# Altium PCB PayloadBoard.PcbDoc
Units mm, origin at the board's own origin, x right, y up, seen from the top; angles counter-clockwise.
Board outline 28.69 x 39.4 mm, 2 copper layers (Top Layer, Bottom Layer), stack 0.98 mm thick; 44 components, 40 nets, 169 pads, 59 vias.
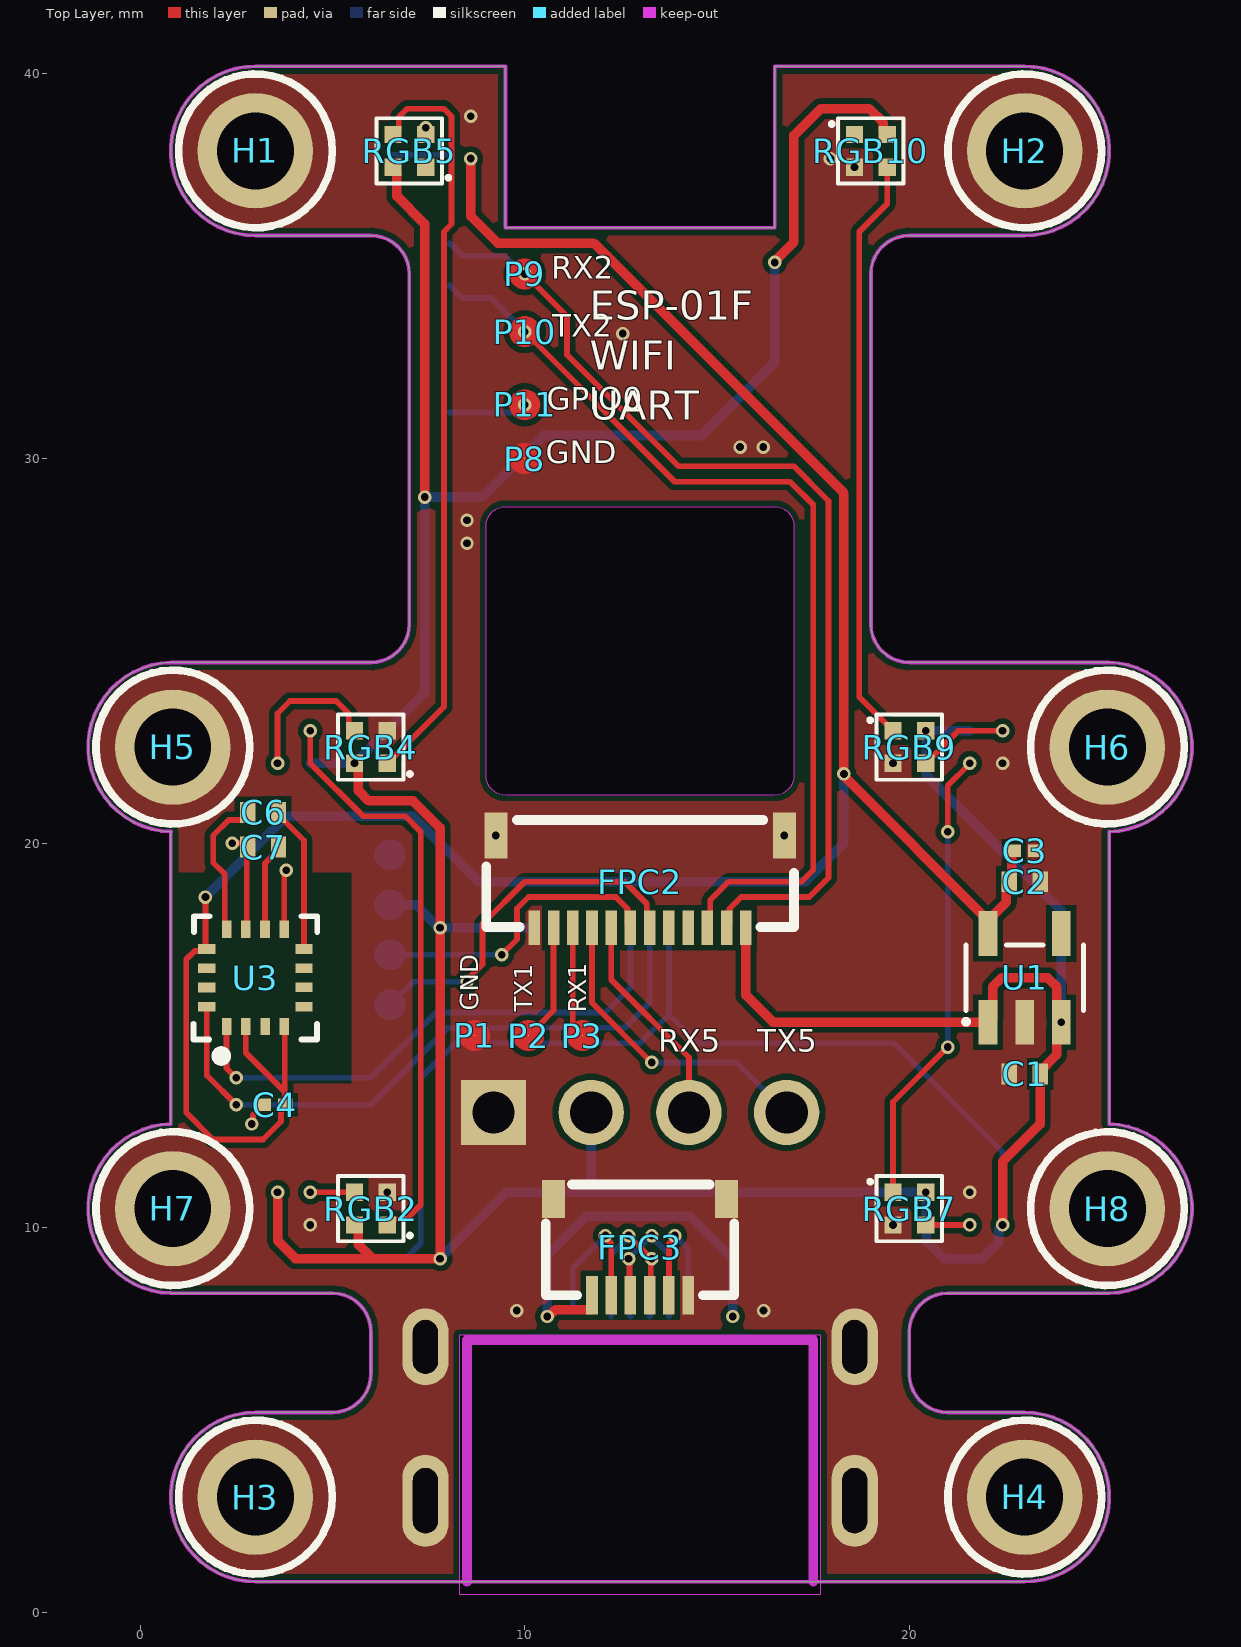
[diagram p0: Top Layer view]
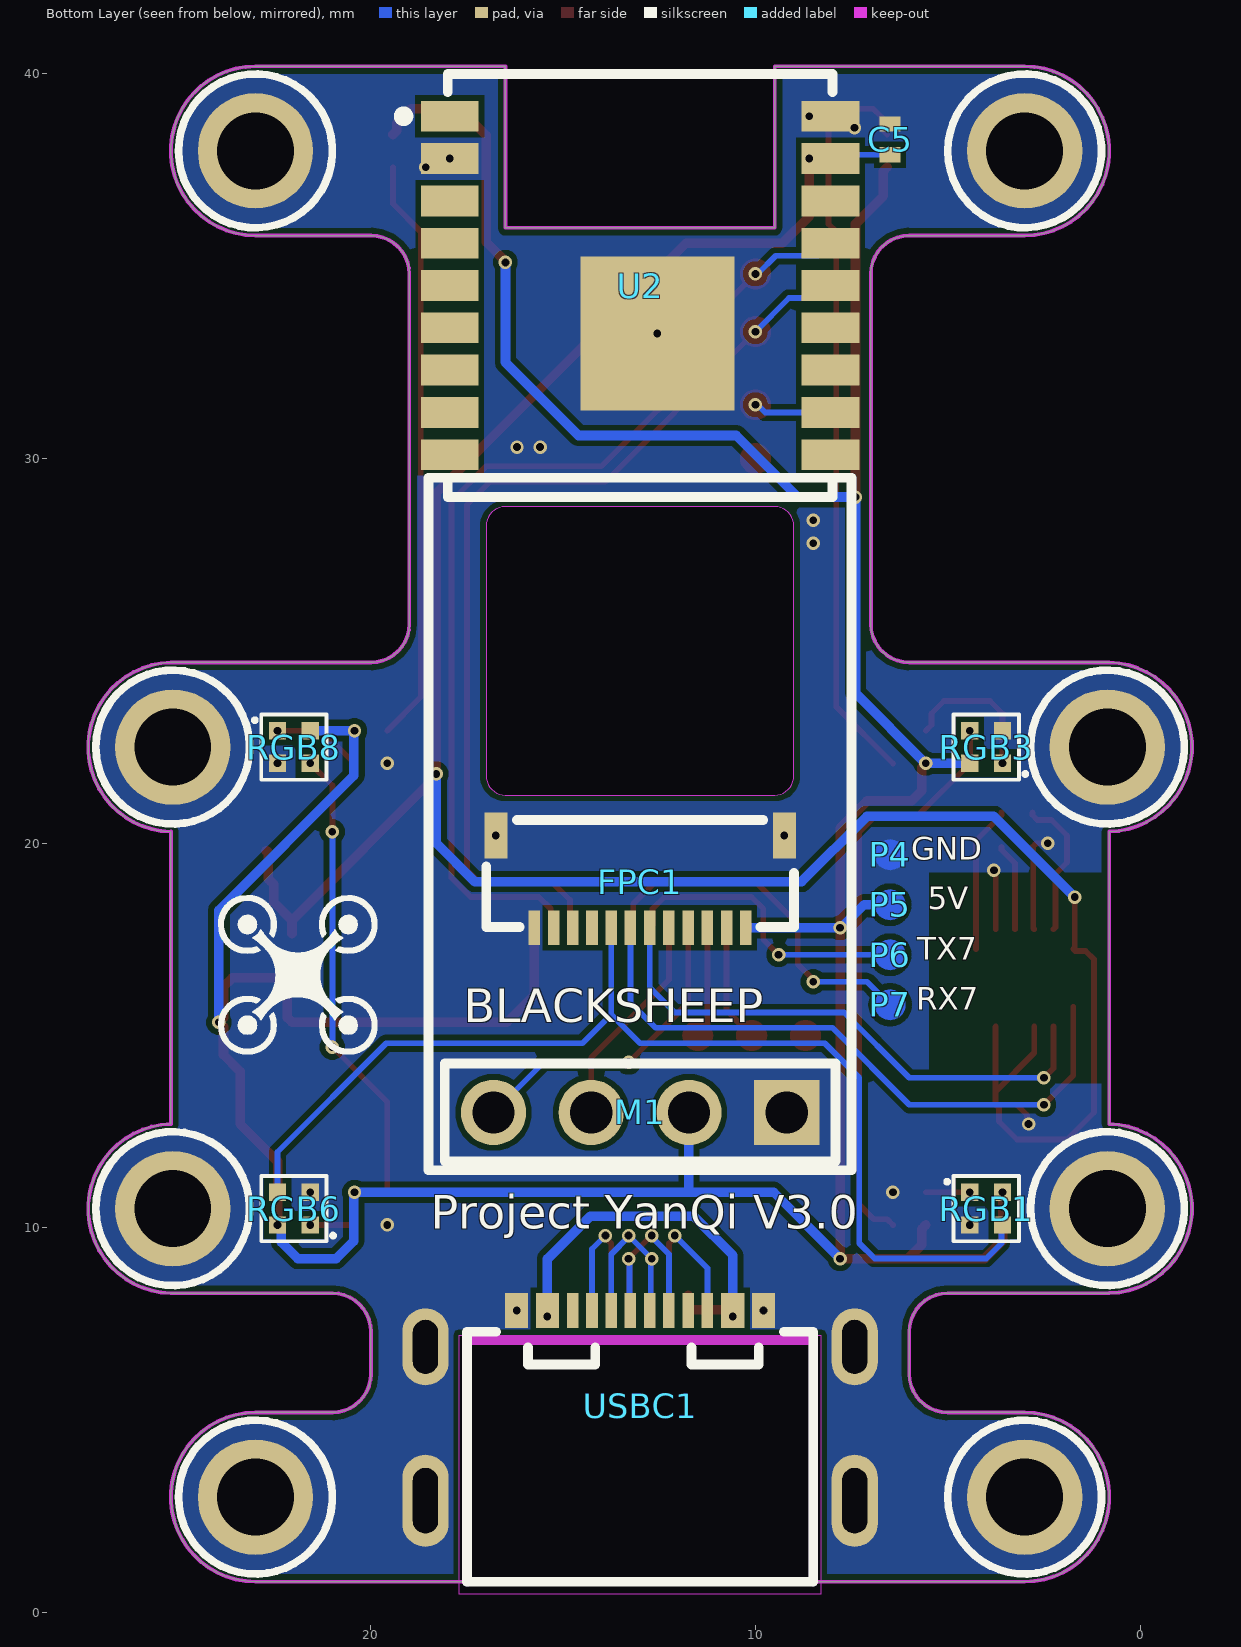
[diagram p1: Bottom Layer view, seen from below]
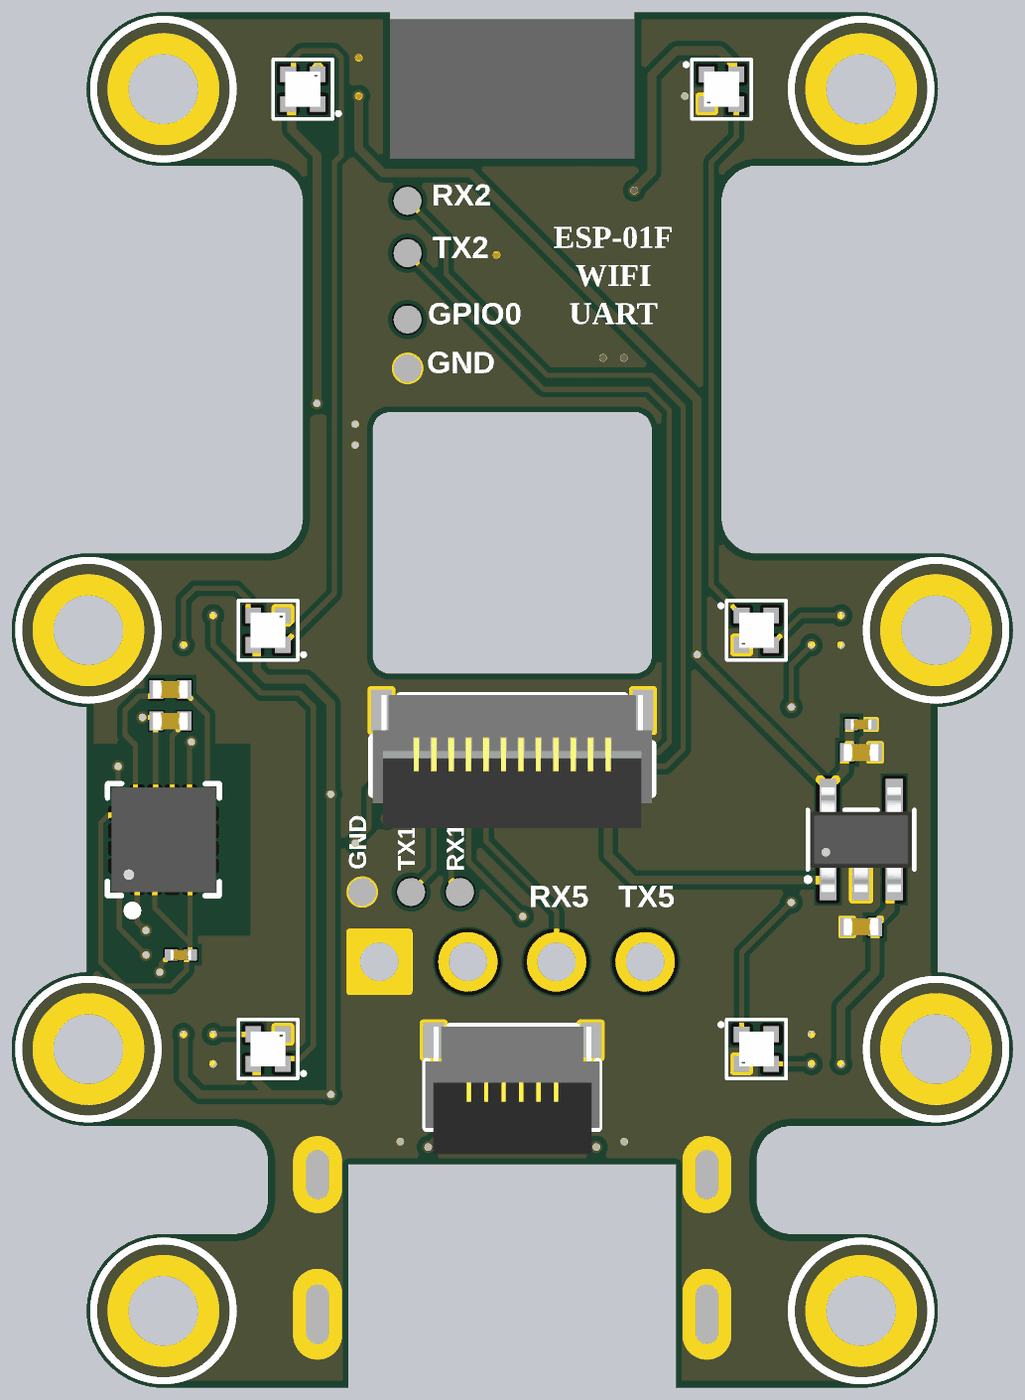
[diagram p2: 3D render of the assembled board from above, using the file's embedded part models]
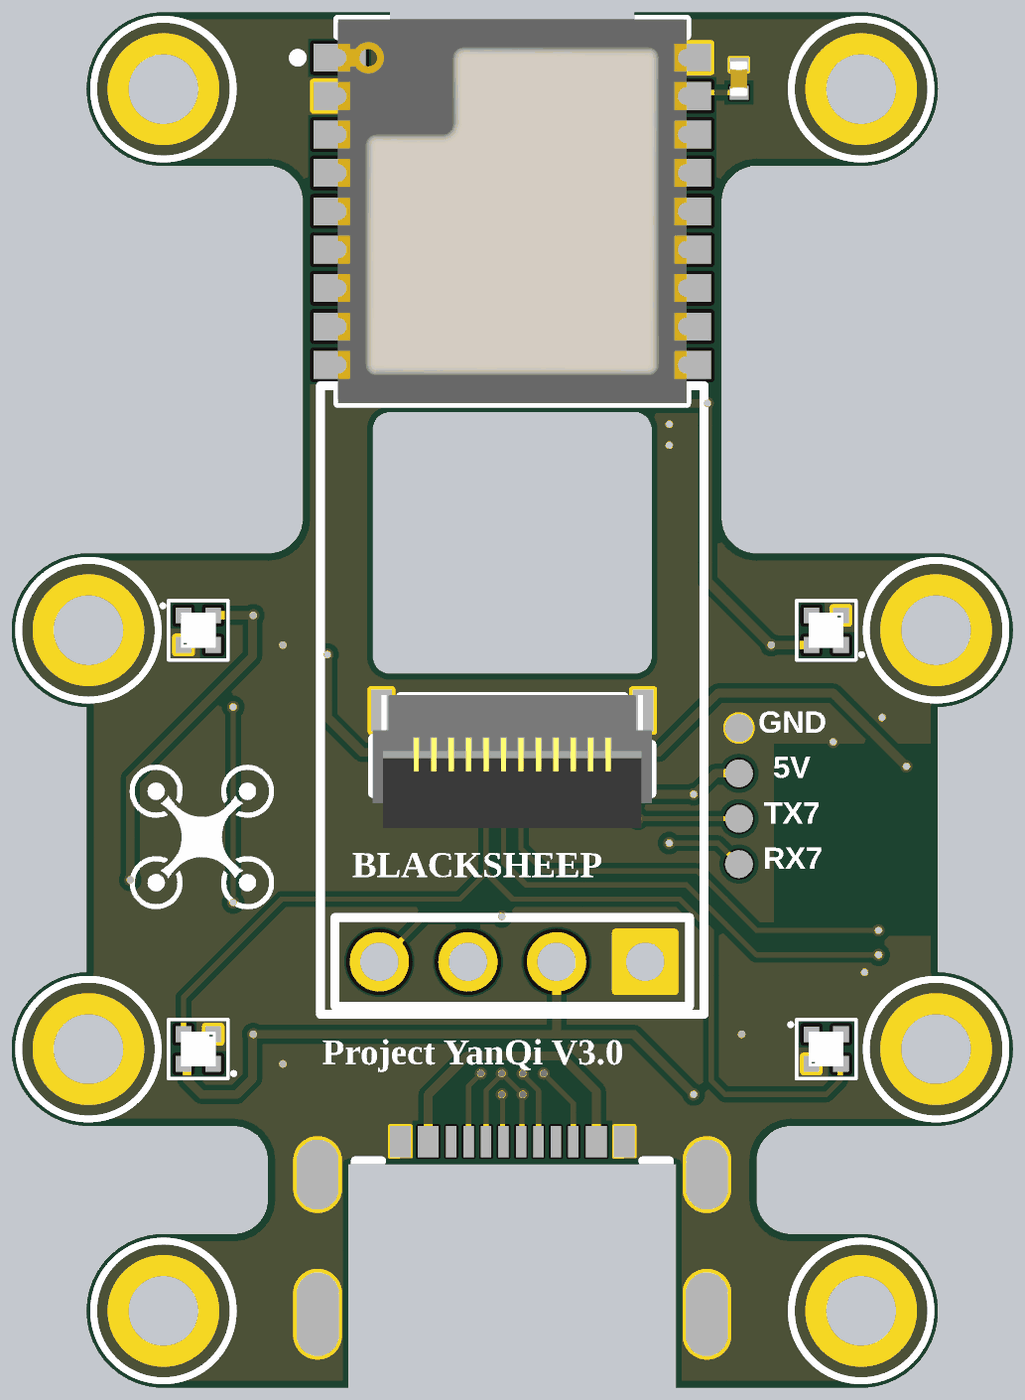
[diagram p3: 3D render of the assembled board from below, using the file's embedded part models]

## Layer stack, top to bottom
Top Solder: solder mask 0.01, Solder Resist, Dk 3.5
Top Layer: signal copper 0.035
Dielectric 1: dielectric 0.91, FR-4, Dk 4.8
Bottom Layer: signal copper 0.035
Bottom Solder: solder mask 0.01, Solder Resist, Dk 3.5

## Board outline
3,0.8 cw(c3,3) 3,5.2 5,5.199 ccw(c5,6.199) 6,6.199 6,7.3 ccw(c5,7.3) 5,8.3 0.8,8.3 0.8,8.302 cw(c0.85,10.501) 0.8,12.701 0.8,20.3 0.8,20.301 cw(c0.85,22.501) 0.8,24.7 0.8,24.699 6,24.699 ccw(c6,25.699) 7,25.699 7,34.8 ccw(c6,34.8) 6,35.8 3,35.8 cw(c3,38) 3,40.2 9.5,40.2 9.5,36 16.5,36 16.5,40.2 23,40.2 cw(c23,38) 23,35.8 20,35.8 ccw(c20,34.8) 19,34.8 19,25.699 ccw(c20,25.699) 20,24.699 25.2,24.699 cw(c25.15,22.499) 25.2,20.3 25.2,12.7 cw(c25.15,10.5) 25.2,8.301 21,8.301 ccw(c21,7.301) 20,7.301 20,6.2 ccw(c21,6.2) 21,5.2 23,5.2 cw(c23,3) 23,0.8
cut-out: 9,21.75 9,28.25 cw(c9.5,28.25) 9.5,28.75 16.5,28.75 cw(c16.5,28.25) 17,28.25 17,21.75 cw(c16.5,21.75) 16.5,21.25 9.5,21.25 cw(c9.5,21.75)

## Design rules (kind name [scope] priority, off if disabled: settings)
Clearance Clearance_3 [All vs OnLayer('Keep-Out Layer')] p1: gap=0.15 ignorepadtopadclearanceinfootprint=FALSE
Clearance Clearance_1 [OnMid vs OnMid] p2: gap=0.15 ignorepadtopadclearanceinfootprint=FALSE sourcerule=37 cellrowname=All cellrowtype=0 cellcolname=All cellcoltype=0 innerlayers=TRUE
Clearance Clearance_2 [(ExistsOnLayer('Top Layer') Or ExistsOnLayer('Bottom Layer')) vs (ExistsOnLayer('Top Layer') Or ExistsOnLayer('Bottom Layer'))] p3: gap=0.15 ignorepadtopadclearanceinfootprint=FALSE sourcerule=37 cellrowname=All cellrowtype=0 cellcolname=All cellcoltype=0 outerlayers=TRUE
Clearance [All] p4: gap=0.254 ignorepadtopadclearanceinfootprint=FALSE ismatrix=TRUE
ComponentClearance [All] p1: gap=0 collisioncheckmode=3 verticalgap=0.1 showdistances=FALSE
MinimumSolderMaskSliver [All] p1: minsoldermaskwidth=0
PolygonConnect [All] p1: connectstyle=Direct reliefconductorwidth=0.254 reliefentries=4 polygonreliefangle="90 Angle" airgapwidth=0.254
RoutingVias [All] p1: holewidth=0.25 width=0.4 viastyle="Through Hole" minholewidth=0.25 minwidth=0.4 maxholewidth=0.25 maxwidth=0.4
SilkToSolderMaskClearance [IsPad] p1: minsilkscreentomaskgap=0 clearancetoexposedcopper=TRUE
SolderMaskExpansion [All] p1: expansion=0.102 istentingtop=FALSE
Width [All] p1: maxlimit=5 minlimit=0.15 preferedwidth=0.15 minimp=50.000000 maximp=50.000000 favimp=50.000000
27 further rules are at their usual default settings.

## Components (designator, comment, footprint, x,y, rotation, side; value= is the part's Value field where it differs from the comment)
C1 "1uF" C0402 23,14 r180 top locked
C2 "1uF" C0402 23,19 r0 top locked
C3 "100nF" C0201 23,19.8 r0 top locked
C4 "100nF" C0201 3.5,13.2 r180 top
C5 "1uF" C0402 6.5,38.3 r270 bottom
C6 "0.22uF" C0402 3.2,20.8 r180 top
C7 "4.7uF" C0402 3.2,19.9 r0 top
FPC1 "FH34SRJ-12S-0.5SH(50)" FFC-SMD_12P-P0.50_FH34SRJ-12S-0.5SH 13,19 r0 bottom locked
FPC2 "FH34SRJ-12S-0.5SH(50)" FFC-SMD_12P-P0.50_FH34SRJ-12S-0.5SH 13,19 r180 top locked
FPC3 "FH34SRJ-6S-0.5SH(50)" FFC-SMD_6P-P0.50_FH34SRJ-6S-0.5SH 13,9.5 r180 top locked
H1 "M2_HOLE" M2_HOLE 3,38 r0 top locked
H2 "M2_HOLE" M2_HOLE 23,38 r0 top locked
H3 "M2_HOLE" M2_HOLE 3,3 r0 top locked
H4 "M2_HOLE" M2_HOLE 23,3 r0 top locked
H5 "M2_HOLE" M2_HOLE 0.85,22.5 r0 top locked
H6 "M2_HOLE" M2_HOLE 25.15,22.5 r0 top locked
H7 "M2_HOLE" M2_HOLE 0.85,10.5 r0 top locked
H8 "M2_HOLE" M2_HOLE 25.15,10.5 r0 top locked
M1 "BLACKSHEEP" BLACKSHEEP 13,13 r0 bottom locked
P1 "BurnPad" BURNPAD_0.8MM 8.7,15 r0 top
P2 "BurnPad" BURNPAD_0.8MM 10.1,15 r0 top
P3 "BurnPad" BURNPAD_0.8MM 11.5,15 r0 top
P4 "BurnPad" BURNPAD_0.8MM 6.5,19.7 r270 bottom
P5 "BurnPad" BURNPAD_0.8MM 6.5,18.4 r270 bottom
P6 "BurnPad" BURNPAD_0.8MM 6.5,17.1 r270 bottom
P7 "BurnPad" BURNPAD_0.8MM 6.5,15.8 r270 bottom
P8 "BurnPad" BURNPAD_0.8MM 10,30 r0 top locked
P9 "BurnPad" BURNPAD_0.8MM 10,34.8 r0 top
P10 "BurnPad" BURNPAD_0.8MM 10,33.3 r0 top
P11 "BurnPad" BURNPAD_0.8MM 10,31.4 r0 top locked
RGB1 "XL-1010RGBC-WS2812B" LED-SMD_4P-L1.0-W1.0-TL_XL-1010RGBC-WS2812B 4,10.5 r180 bottom
RGB2 "XL-1010RGBC-WS2812B" LED-SMD_4P-L1.0-W1.0-TL_XL-1010RGBC-WS2812B 6,10.5 r180 top
RGB3 "XL-1010RGBC-WS2812B" LED-SMD_4P-L1.0-W1.0-TL_XL-1010RGBC-WS2812B 4,22.5 r0 bottom
RGB4 "XL-1010RGBC-WS2812B" LED-SMD_4P-L1.0-W1.0-TL_XL-1010RGBC-WS2812B 6,22.5 r180 top
RGB5 "XL-1010RGBC-WS2812B" LED-SMD_4P-L1.0-W1.0-TL_XL-1010RGBC-WS2812B 7,38 r180 top locked
RGB6 "XL-1010RGBC-WS2812B" LED-SMD_4P-L1.0-W1.0-TL_XL-1010RGBC-WS2812B 22,10.5 r0 bottom
RGB7 "XL-1010RGBC-WS2812B" LED-SMD_4P-L1.0-W1.0-TL_XL-1010RGBC-WS2812B 20,10.5 r0 top
RGB8 "XL-1010RGBC-WS2812B" LED-SMD_4P-L1.0-W1.0-TL_XL-1010RGBC-WS2812B 22,22.5 r180 bottom
RGB9 "XL-1010RGBC-WS2812B" LED-SMD_4P-L1.0-W1.0-TL_XL-1010RGBC-WS2812B 20,22.5 r0 top
RGB10 "XL-1010RGBC-WS2812B" LED-SMD_4P-L1.0-W1.0-TL_XL-1010RGBC-WS2812B 19,38 r0 top locked
U1 "RT9013-33GB" SOT-23-5 23,16.5 r0 top locked
U2 "ESP-01F-2M" WIFIM-SMD_ESP-01F-2M 13,34.5 r180 bottom locked value=2.4GHz
U3 "QMC5883L" LGA-16_L3.0-W3.0-P0.50-BL_SQ 3,16.5 r0 top locked
USBC1 "918-418K2024S40000" USB-C-SMD_TYPE-C-USB-4 13,5.3 r180 bottom

## Footprints (in the part's own frame and the unit in brackets; to place one, negate y for a bottom-side part, rotate by r counter-clockwise, add the part's x,y. Pads: shape width x height; smd on the part's side, far side on the other; paste and mask are expansions set on the pad)
BLACKSHEEP [mm]
  rect 1.7x1.7 hole 1.1: 1(-3.81,0)
  round 1.7 hole 1.1: 2(-1.27,0) 3(1.27,0) 4(3.81,0)
  silkscreen extent -5.5,-16.5 5.5,1.5
BURNPAD_0.8MM [mil]
  round 1 smd mask+1.97: 1(0,0)
  Top Layer region: 0,-15.75 -6.03,-14.55 -11.14,-11.14 -14.55,-6.03 -15.75,0 -15.75,0 -14.55,6.03 -11.14,11.14 -6.03,14.55 0,15.75 0,15.75 6.03,14.55 11.14,11.14 14.55,6.03 15.75,0 15.75,0 14.55,-6.03 11.14,-11.14 6.03,-14.55 0,-15.75
C0201 [mm]
  rect 0.368x0.324 smd paste-100 mask+0.051: 1(-0.274,0) 2(0.274,0)
  body extent -0.3,-0.15 0.3,0.15, height 0.3
C0402 [mm]
  rect 0.4x0.54 smd mask+0.051: 1(-0.4,0) 2(0.4,0)
  body extent -0.5,-0.25 0.5,0.25, height 0.5
FFC-SMD_6P-P0.50_FH34SRJ-6S-0.5SH [mm]
  rect 0.3x1 smd: 1(1.25,1.25) 2(0.75,1.25) 3(0.25,1.25) 4(-0.25,1.25) 5(-0.75,1.25) 6(-1.25,1.25)
  rect 0.6x1 smd: 7(-2.25,-1.25) 8(2.25,-1.25)
  silkscreen extent -2.45,-1.63 2.45,1.25, body extent -2.5,-1.64 2.5,2.01, height 0.95
FFC-SMD_12P-P0.50_FH34SRJ-12S-0.5SH [mm]
  rect 0.3x0.9 smd: 1(2.75,1.2) 2(2.25,1.2) 3(1.75,1.2) 4(1.25,1.2) 5(0.75,1.2) 6(0.25,1.2) 7(-0.25,1.2) 8(-0.75,1.2) 9(-1.25,1.2) 10(-1.75,1.2) 11(-2.25,1.2) 12(-2.75,1.2)
  rect 0.6x1.2 smd: 13(-3.75,-1.2) 14(3.75,-1.2)
  silkscreen extent -4,-1.6 4,1.18, body extent -4,-1.64 4,2.16, height 1.22
LED-SMD_4P-L1.0-W1.0-TL_XL-1010RGBC-WS2812B [mm]
  rect 0.45x0.45 smd: 1(-0.425,0.425) 2(0.425,0.425) 3(-0.425,-0.425) 4(0.425,-0.425)
  silkscreen extent -1.07,-0.85 0.85,0.85, body extent -0.5,-0.5 0.5,0.5, height 0.81
LGA-16_L3.0-W3.0-P0.50-BL_SQ [mm]
  rect 0.25x0.45 smd: 1(-0.75,-1.263) 2(-0.25,-1.263) 3(0.25,-1.263) 4(0.75,-1.263) 9(0.75,1.263) 10(0.25,1.263) 11(-0.25,1.263) 12(-0.75,1.263)
  rect 0.45x0.25 smd: 5(1.263,-0.75) 6(1.263,-0.25) 7(1.263,0.25) 8(1.263,0.75) 13(-1.263,0.75) 14(-1.263,0.25) 15(-1.263,-0.25) 16(-1.263,-0.75)
  silkscreen extent -1.61,-2.16 1.61,1.6, body extent -1.49,-1.5 1.51,1.5, height 0.92
M2_HOLE [mm]
  round 3 / inner round 0 / far side round 3 hole 2: 1(0,0)
  silkscreen extent -2,-2 2,2
SOT-23-5 [mm]
  rect 0.49x1.157 smd: 1(-0.95,-1.154) 2(0,-1.154) 3(0.95,-1.154)
  rect 0.49x1.175 smd: 4(0.95,1.154) 5(-0.95,1.154)
  silkscreen extent -1.59,-1.21 1.53,0.85, body extent -1.45,-1.51 1.45,1.51, height 1.25
USB-C-SMD_TYPE-C-USB-4 [mm]
  oval 1.2x2 hole 0.65 slot 1.4 at 90 deg: 13(5.58,1.605) 16(-5.58,1.605)
  oval 1.2x2.4 hole 0.65 slot 1.7 at 90 deg: 14(5.58,-2.395) 15(-5.58,-2.395)
  rect 0.3x0.9 smd mask+0.051: A5(-1.25,2.55) A6(-0.25,2.55) A7(0.25,2.55) A8(1.25,2.55) B5(1.75,2.55) B6(0.75,2.55) B7(-0.75,2.55) B8(-1.75,2.55)
  rect 0.6x0.9 smd mask+0.051: A9B4(2.41,2.55) A12B1(3.21,2.55) B9A4(-2.41,2.55) B12A1(-3.21,2.55)
  Keep-Out Layer board cut-out: -4.699,-4.826 -4.699,1.905 4.699,1.905 4.699,-4.826
  Keep-Out Layer lines w0.254: 4.499,1.78 4.499,-4.501 4.499,1.78 ; 4.499,1.78 -4.5,1.78 ; -4.5,1.78 -4.5,-4.501 -4.5,1.78
  silkscreen extent -4.5,-4.5 4.5,2, body extent -5.77,-4.57 5.77,2.63, height 1.86
WIFIM-SMD_ESP-01F-2M [mm]
  rect 1.5x0.8 smd: 1(-4.95,4.4) 2(-4.95,3.3) 3(-4.95,2.2) 4(-4.95,1.1) 5(-4.95,0) 6(-4.95,-1.1) 7(-4.95,-2.2) 8(-4.95,-3.3) 9(-4.95,-4.4) 10(4.95,-4.4) 11(4.95,-3.3) 12(4.95,-2.2) 13(4.95,-1.1) 14(4.95,0) 15(4.95,1.1) 16(4.95,2.2) 17(4.95,3.3) 18(4.95,4.4)
  rect 4x4 smd: 19(0.45,-1.25)
  silkscreen extent -6.28,-5.5 5,5.5, body extent -5,-5.5 5,5.5, height 2.81

## Part data
C1 C2 C3 C4 C5 C6 C7: library part CC0603KRX7R9BB104, Add into BOM=yes, Convert to PCB=yes
  C1 C2 C5: Name=1uF
  C3 C4: Name=100nF
  C6: Name=0.22uF
  C7: Name=4.7uF
FPC1 FPC2: JLCPCB Part Class="Extended Part", LCSC Part Name="间距:0.5mm P数:12P 双侧触点/上下接", Manufacturer=HRS(广濑), Operating Temperature Range=-55℃~+105℃, Add into BOM=yes, Contact Material=磷青铜, Contact Plating=金, Contact Type=双侧触点/上下接, Convert to PCB=yes, Datasheet=https://atta.szlcsc.com/upload/public/pdf/source/20190903/C424660_13F2CCC518A089E10A5EDDF0ACBC803F.pdf, Device=FH34SRJ-12S-0.5SH(50), FFC, FCB Thickness=0.3mm, Height Above Board=1mm, Locking Feature=-, Manufacturer Part=FH34SRJ-12S-0.5SH(50), Mounting Type=卧贴, Number of Contacts=12P, Pitch=0.5mm, Supplier=LCSC, Supplier Footprint=SMD,P=0.5mm,卧贴, Supplier Part=C424659, Symbol=FH34SRJ-12S-0.5SH(50)
FPC3: JLCPCB Part Class="Extended Part", LCSC Part Name="间距:0.5mm P数:6P 双侧触点/上下接", Manufacturer=HRS(广濑), Operating Temperature Range=-55℃~+105℃, Soldering Temperature(Max)=-, Add into BOM=yes, Contact Material=磷青铜, Contact Plating=金, Contact Type=双侧触点/上下接, Convert to PCB=yes, Datasheet=https://atta.szlcsc.com/upload/public/pdf/source/20180712/C224194_08937A353F43080B85824A8384727686.pdf, Device=FH34SRJ-6S-0.5SH(50), FFC, FCB Thickness=0.3mm, Height Above Board=1mm, Locking Feature=-, Manufacturer Part=FH34SRJ-6S-0.5SH(50), Mounting Type=卧贴, Number of Contacts=6P, Pitch=0.5mm, Supplier=LCSC, Supplier Footprint=SMD,P=0.5mm,卧贴, Supplier Part=C224194, Symbol=FH34SRJ-6S-0.5SH(50)
RGB1 RGB2 RGB3 RGB4 RGB5 RGB6 RGB7 RGB8 RGB9 RGB10: Emitted Color=RGB三色, Forward Current=20mA, Forward Voltage (VF)=3.5V~5.5V, JLCPCB Part Class="Extended Part", Lens Color=无色透明透镜, Manufacturer=XINGLIGHT(成兴光), Operating Temperature=-20℃~+85℃, Power Dissipation=-, Add into BOM=yes, Convert to PCB=yes, Datasheet=https://atta.szlcsc.com/upload/public/pdf/source/20230111/7F92487BABF607E2EE42D1D66EFE1A21.pdf, Device=XL-1010RGBC-WS2812B, Dominant Wavelength=465nm~475nm；520nm~530nm；620nm~625nm, LCSC Part Name=XL-1010RGBC-WS2812B, Luminous Intensity=300mcd；800mcd；200mcd, Manufacturer Part=XL-1010RGBC-WS2812B, Mounting Sytle=正贴, Peak Wavelength=-, Supplier=LCSC, Supplier Footprint=SMD,1x1mm, Supplier Part=C5349953, Symbol=XL-1010RGBC-WS2812B, Viewing Angle=120°
U1: Dropout Voltage=400mV@(500mA), JLCPCB Part Class="Extended Part", LCSC Part Name="输入5.5V 输出3.3V 500mA", Manufacturer=RICHTEK(立锜), Maximum Input Voltage=5.5V, Operating Temperature=-40℃~+85℃, Output Current=500mA, Output Voltage=3.3V, Power Supply Rejection Ratio (PSRR)=50dB@(10kHz), Quiescent Current (Ground Current)=50uA, Add into BOM=yes, Convert to PCB=yes, Datasheet=https://atta.szlcsc.com/upload/public/pdf/source/20150504/1457707282459.pdf, Device=RT9013-33GB, Feature=-, Manufacturer Part=RT9013-33GB, Name=RT9013-33GB, Noise=-, Number of Outputs=1, Output Polarity=正, Output Type=固定, Supplier=LCSC, Supplier Footprint=SOT-23-5, Supplier Part=C47773, Symbol=RT9013-33GB
U2: JLCPCB Part Class="Extended Part", LCSC Part Name=完整的802.11b/g/nWi-FiSoC模块, Manufacturer=Ai-Thinker(安信可), Operating Temperature=-40℃~+85℃, Operating Voltage=3V~3.6V, Output Power=16dBm, Receive  Current=56mA, Send  Current=170mA, Add into BOM=yes, Antenna Type=-, Convert to PCB=yes, Core Processor=ESP8285芯片, Datasheet=https://atta.szlcsc.com/upload/public/pdf/source/20210401/C2764054_7A91A27C6594F8A1968F9CAA7474E658.pdf, Device=ESP-01F-2M, Manufacturer Part=ESP-01F-2M, Sensitivity=-90dBm, Supplier=LCSC, Supplier Footprint=-, Supplier Part=C2764054, Support Interface=GPIO；UART；I2C；PWM；SPI；ADC, Symbol=ESP-01F-2M, Wireless Standard=-
U3: JLCPCB Part Class="Extended Part", LCSC Part Name=三轴磁传感器, Manufacturer=QST(上海矽睿), Add into BOM=yes, Convert to PCB=yes, Datasheet=https://atta.szlcsc.com/upload/public/pdf/source/20201217/C976032_5B9A2F3901E175046CBA037B1F18A1F2.pdf, Device=QMC5883L, Manufacturer Part=QMC5883L, Supplier=LCSC, Supplier Footprint=LGA-16(3x3), Supplier Part=C976032, Symbol=QMC5883L
USBC1: JLCPCB Part Class="Extended Part", LCSC Part Name="Type-C 母座", Manufacturer=精拓金, Add into BOM=yes, Connector Type=Type-C, Convert to PCB=yes, Datasheet=https://atta.szlcsc.com/upload/public/pdf/source/20230504/AD68741A173EB676C7BDD03FFA4DE90F.pdf, Device=918-418K2024S40000, Gender=母座, Manufacturer Part=918-418K2024S40000, Name=918-418K2024S40000, Number of Contacts=16P, Number of Ports=1, Standard=-, Supplier=LCSC, Supplier Footprint=SMD, Supplier Part=C168688, Symbol="TYPE-C 3.1 MT 16P_C168688"

## Via types
v1: diameter 0.35, hole 0.2, Top Layer to Bottom Layer, tented both sides, 59 vias

## Nets (pads, with @x,y where several pads share a name; then routed paths per layer and width w, separated by ;. In a path a pad name is that pad's centre, name@x,y a point inside that pad or via, vN(x,y) a via of type N, cw(c..) or ccw(c..) an arc to the next point about the centre after c; other vN are vias at no path point)
3V3: C2.1 C3.1 C4.1 C5.2 U1.5 U2.17 U3.2 U3.4 U3.13 | length 64.9
  Top Layer w0.15: v1(1.7,18.6) 1.7,17.287 U3.13 1.687,17.2 1.42,17.2 1.2,16.98 1.2,13 1.9,12.3 3.2,12.3 3.665,12.765 3.665,13.115 C4.1@3.762,13.212 ; U3.2 2.75,14.55 3.762,13.538 ; U3.4 3.762,15.225 3.762,13.538 ; C4.1 C4.1@3.762,13.212 ; C4.1@3.762,13.212 3.762,13.538
  Top Layer w0.25: v1(8.6,37.8) 8.6,36.3 9.3,35.6 11.8,35.6 18.3,29.1 v1(18.3,21.8) 18.3,21.746 U1.5@22.05,17.996 ; U1.5 U1.5@22.05,17.996 ; C3.1 22.703,19.8 22.666,19.763 22.666,19.066 C2.1 22.525,18.925 22.525,18.471 U1.5@22.05,17.996
  Bottom Layer w0.15: C5.2 7.95,37.9 U2.17
  Bottom Layer w0.25: v1(1.7,18.6) 3.8,20.7 7.1,20.7 8.8,19 17.3,19 18.3,20 v1(18.3,21.8)
AUX1: FPC2.8
AUX2: FPC2.9
GND: C1.2 C2.2 C3.2 C4.2 C5.1 C7.1 FPC1.1 FPC1.13 FPC1.14 FPC2.1 FPC2.13 FPC2.14 FPC3.6 FPC3.7 FPC3.8 H1.1 H2.1 H3.1 H4.1 H5.1 H6.1 H7.1 H8.1 M1.1 P1.1 P4.1 P8.1 RGB1.3 RGB2.3 RGB3.3 RGB4.3 RGB5.3 RGB6.3 RGB7.3 RGB8.3 RGB9.3 RGB10.3 U1.2 U2.2 U2.18 U2.19 U3.9 U3.11 USBC1.13 USBC1.14 USBC1.15 USBC1.16 USBC1.A12B1 USBC1.B12A1 | length 4.8
  Top Layer w0.15: v1(2.4,20) 2.7,20 C7.1 2.775,19.875 2.775,17.788 U3.11 ; v1(2.9,12.7) 2.938,12.738 2.938,12.935 3.203,13.2 C4.2 ; U3.9 3.75,19.25 v1(3.8,19.3)
  other v1: 9.79,7.85 16.21,7.85 4.425,10.075 19.575,10.075 6.425,10.925 21.575,10.925 9.25,20.2 16.75,20.2 19.575,22.075 22.425,22.075 8.5,27.8 8.5,28.4 15.6,30.3 16.2,30.3 12.55,33.25 18.575,37.575 17.95,37.8 7.425,38.6 8.6,38.9
I2C2_SCL: FPC1.7 U3.1 | length 14.2
  Top Layer w0.15: U3.1 2.25,14.15 v1(2.5,13.9)
  Bottom Layer w0.15: v1(2.5,13.9) 6,13.9 7.7,15.6 12.1,15.6 12.75,16.25 FPC1.7
I2C2_SDA: FPC1.6 U3.16 | length 16.7
  Top Layer w0.15: U3.16 1.737,13.963 v1(2.5,13.2)
  Bottom Layer w0.15: v1(2.5,13.2) 6,13.2 8,15.2 12.6,15.2 13.25,15.85 FPC1.6
NetC6_1: C6.1 U3.8 | length 3.8
  Top Layer w0.15: C6.1 3.6,20.73 4.263,20.067 U3.8
NetC7_2: C7.2 U3.10 | length 2.3
  Top Layer w0.15: U3.10 3.25,19.48 3.6,19.83 C7.2
NetP11_1: P11.1 U2.11 | length 2
  Bottom Layer w0.15: U2.11 9.746,31.2 9.946,31.4 v1(10,31.4)
NetRGB1_1: RGB1.1 RGB2.4 | length 1.2
  Top Layer w0.15: v1(4.425,10.925) RGB2.4
NetRGB2_1: RGB2.1 RGB3.4 | length 15.3
  Top Layer w0.15: v1(4.425,22.925) 4.425,22.075 5.8,20.7 6.9,20.7 7.3,20.3 7.3,10.6 6.925,10.225 6.575,10.225 RGB2.1
NetRGB3_1: RGB3.1 RGB4.4 | length 3.9
  Top Layer w0.15: v1(3.575,22.075) 3.575,23.375 3.9,23.7 5.1,23.7 5.425,23.375 5.425,23.075 RGB4.4
NetRGB4_1: RGB4.1 RGB5.4 | length 19.6
  Top Layer w0.15: RGB4.1 7.9,23.55 7.9,35.9 8.1,36.1 8.1,38.9 7.904,39.096 6.941,39.096 6.725,38.88 6.725,38.575 RGB5.4
NetRGB6_1: RGB6.1 RGB7.4 | length 1.2
  Top Layer w0.15: RGB7.4 v1(21.575,10.075)
NetRGB7_1: RGB7.1 RGB8.4 | length 12
  Top Layer w0.15: RGB7.1 19.575,13.275 v1(21,14.7) ; v1(21,20.3) 21,21.5 v1(21.575,22.075)
  Bottom Layer w0.15: v1(21,14.7) v1(21,20.3)
NetRGB8_1: RGB8.1 RGB9.4 | length 2.4
  Top Layer w0.15: RGB9.4 21.275,22.925 v1(22.425,22.925)
NetRGB9_1: RGB9.1 RGB10.4 | length 15.3
  Top Layer w0.15: RGB10.4 19.425,36.625 18.7,35.9 18.7,23.8 RGB9.1
SETC: C6.2 U3.12 | length 3.8
  Top Layer w0.15: U3.12 2.2,17.813 2.2,19.2 1.9,19.5 1.9,20.2 2.305,20.605 2.675,20.605 2.8,20.73 C6.2
SPI1_MISO: FPC1.3
SPI1_MOSI: FPC1.4
SPI1_SCK: FPC1.2
SRGBLED: FPC1.5 RGB1.4 RGB6.4 | length 29.4
  Bottom Layer w0.15: RGB1.4 3.6,10.05 3.6,9.6 4,9.2 6.9,9.2 7.3,9.6 7.3,13.9 8.2,14.8 13,14.8 13.75,15.55 ; FPC1.5 13.75,15.55 ; RGB6.4 22.425,11.975 19.6,14.8 14.5,14.8 13.75,15.55
System_5V: C1.1 FPC1.12 FPC2.12 M1.2 P5.1 RGB1.2 RGB2.2 RGB3.2 RGB4.2 RGB5.2 RGB6.2 RGB7.2 RGB8.2 RGB9.2 RGB10.2 U1.1 U1.3 | length 110.4
  Top Layer w0.25: v1(3.575,10.925) 3.575,9.666 4.041,9.2 6.041,9.2 ; RGB2.2 5.675,9.975 5.675,9.566 6.041,9.2 ; v1(5.575,22.075) 5.675,21.975 5.675,21.366 5.941,21.1 7.1,21.1 7.8,20.4 v1(7.8,17.8) v1(7.8,9.2) 6.041,9.2 ; RGB5.2 6.675,37.475 6.675,36.825 7.4,36.1 v1(7.4,29) ; FPC2.12 15.75,16.05 16.454,15.346 U1.1 22.17,15.466 22.17,16.27 22.4,16.5 23.6,16.5 23.83,16.27 23.83,15.466 v1(23.95,15.346) 23.83,15.226 23.83,14.5 23.4,14.07 C1.1 23.4,12.7 22.425,11.725 v1(22.425,10.075) ; v1(16.5,35.1) 16.5,35.127 17,35.627 17,38.4 17.7,39.1 18.959,39.1 19.325,38.734 19.325,38.525 RGB10.2
  Bottom Layer w0.25: RGB3.2 v1(5.575,22.075) 7.4,23.9 v1(7.4,29) 8.9,29 10.5,30.6 14.6,30.6 16.5,32.5 v1(16.5,35.1) ; P5.1 6.9,18.4 7.173,18.4 7.773,17.8 v1(7.8,17.8) FPC1.12 ; v1(7.8,9.2) 9.525,10.925 11.7,10.925 ; M1.2 11.73,10.955 11.7,10.925 ; RGB8.2 v1(20.425,22.925) 20.444,22.906 20.444,21.756 23.95,18.25 v1(23.95,15.346) ; v1(22.425,10.075) 22.325,9.975 22.325,9.625 21.9,9.2 20.9,9.2 20.444,9.656 20.444,10.906 v1(20.425,10.925) 11.7,10.925
UART5_RX: FPC2.5 M1.3 | length 5.6
  Top Layer w0.15: FPC2.5 12.25,16.45 14.27,14.43 M1.3
UART5_TX: FPC2.4 M1.4 | length 8.2
  Top Layer w0.15: FPC2.4 11.75,15.85 v1(13.3,14.3)
  Bottom Layer w0.15: v1(13.3,14.3) 15.51,14.3 M1.4
UART7_RX: FPC2.7 P7.1 | length 9.5
  Top Layer w0.15: v1(8.5,16.4) 8.5,16.454 8.9,16.854 8.9,17.9 10,19 12.6,19 13.175,18.425 13.175,17.875 FPC2.7
  Bottom Layer w0.15: P7.1 6.783,16.083 7.1,16.4 v1(8.5,16.4)
UART7_TX: FPC2.6 P6.1 | length 7.9
  Top Layer w0.15: v1(9.4,17.1) 9.8,17.5 9.8,18.3 10.1,18.6 12.368,18.6 12.675,18.293 12.675,17.875 FPC2.6
  Bottom Layer w0.15: P6.1 6.9,17.1 v1(9.4,17.1)
USART1_RX: FPC2.3 P3.1 | length 2.9
  Top Layer w0.15: FPC2.3 11.25,15.312 11.25,15.25 P3.1
USART1_TX: FPC2.2 P2.1 | length 3.1
  Top Layer w0.15: P2.1 10.383,15.283 10.75,15.65 FPC2.2
USART2_RX: FPC2.11 P9.1 U2.15 | length 26.4
  Top Layer w0.15: v1(10,34.8) 10.283,34.517 11.1,33.7 11.1,32.7 14,29.8 17,29.8 17.9,28.9 17.9,19.1 17.4,18.6 15.632,18.6 15.325,18.293 15.325,17.875 FPC2.11
  Bottom Layer w0.15: U2.15 8.375,35.275 9.471,35.275 9.946,34.8 v1(10,34.8)
USART2_TX: FPC2.10 P10.1 U2.14 | length 25.1
  Top Layer w0.15: v1(10,33.3) 10.283,33.017 13.9,29.4 16.9,29.4 17.5,28.8 17.5,19.3 17.2,19 15.3,19 14.825,18.525 14.825,17.875 FPC2.10
  Bottom Layer w0.15: U2.14 8.375,34.175 9.125,34.175 v1(10,33.3)
USART3_RX: FPC1.8
USART3_TX: FPC1.9
USART6_RX: FPC1.10
USART6_TX: FPC1.11
USB_5V: FPC3.1 USBC1.A9B4 USBC1.B9A4 | length 10.4
  Top Layer w0.25: v1(10.59,7.695) 10.617,7.695 10.797,7.875 11.725,7.875 11.75,7.9 FPC3.1
  Bottom Layer w0.25: v1(10.59,7.695) USBC1.A9B4 10.59,9.29 11.6,10.3 14.3,10.3 15.41,9.19 USBC1.B9A4 v1(15.41,7.695)
USB_CC1: FPC3.5 USBC1.A5 | length 3.7
  Top Layer w0.15: FPC3.5 13.75,9.596 13.9,9.746 v1(13.9,9.8)
  Bottom Layer w0.15: v1(13.9,9.8) 14.25,9.45 USBC1.A5
USB_CC2: FPC3.2 USBC1.B5 | length 3.9
  Top Layer w0.15: v1(12.1,9.8) 12.14,9.76 12.138,9.758 12.138,9.708 12.25,9.596 FPC3.2
  Bottom Layer w0.15: USBC1.B5 11.25,8.95 v1(12.1,9.8)
USB_D+: FPC3.4 USBC1.A6 USBC1.B6 | length 5.6
  Top Layer w0.15: v1(12.7,9.8) v1(13.3,9.2) 13.275,9.175 13.275,8.275 FPC3.4
  Bottom Layer w0.15: USBC1.B6@12.25,7.695 12.25,9.316 12.7,9.766 v1(12.7,9.8) ; USBC1.A6@13.25,7.695 13.275,7.72 13.275,9.175 v1(13.3,9.2)
USB_D-: FPC3.3 USBC1.A7 USBC1.B7 | length 5.6
  Top Layer w0.15: v1(12.7,9.2) 12.725,9.175 12.725,8.275 FPC3.3
  Bottom Layer w0.15: USBC1.A7@12.75,7.693 12.725,7.718 12.725,9.175 v1(12.7,9.2) v1(13.3,9.8) 13.3,9.766 13.75,9.316 USBC1.B7@13.75,7.693
pads on no net: RGB5.1 RGB10.1 U1.4 U2.1 U2.3 U2.4 U2.5 U2.6 U2.7 U2.8 U2.9 U2.10 U2.12 U2.13 U2.16 U3.3 U3.5 U3.6 U3.7 U3.14 U3.15 USBC1.A8 USBC1.B8

## Polygon pours and split planes (outlines as drawn)
GND on Top Layer "GND_L01_P000" (solid, remove dead copper, pour order 0): 3,0.8 cw(c3,3) 3,5.2 3,5.199 5,5.199 ccw(c5,6.199) 6,6.199 6,7.3 ccw(c5,7.3) 5,8.3 0.8,8.3 0.8,8.302 cw(c0.85,10.501) 0.8,12.701 0.8,20.3 0.8,20.301 cw(c0.85,22.501) 0.8,24.7 0.8,24.699 6,24.699 ccw(c6,25.699) 7,25.699 7,34.8 ccw(c6,34.8) 6,35.8 3,35.8 cw(c3,38) 3,40.2 9.5,40.2 9.5,36 16.5,36 16.5,40.2 23,40.2 cw(c23,38) 23,35.8 20,35.8 ccw(c20,34.8) 19,34.8 19,25.699 ccw(c20,25.699) 20,24.699 25.2,24.699 cw(c25.15,22.499) 25.2,20.3 25.2,12.7 25.2,12.699 cw(c25.15,10.5) 25.2,8.301 21,8.301 ccw(c21,7.301) 20,7.301 20,6.2 ccw(c21,6.2) 21,5.2 23,5.2 cw(c23,3) 23,0.8
GND on Bottom Layer "GND_L02_P001" (solid, remove dead copper, pour order 1): 3,0.8 cw(c3,3) 3,5.2 3,5.199 5,5.199 ccw(c5,6.199) 6,6.199 6,7.3 ccw(c5,7.3) 5,8.3 0.8,8.3 0.8,8.302 cw(c0.85,10.501) 0.8,12.701 0.8,20.3 0.8,20.301 cw(c0.85,22.501) 0.8,24.7 0.8,24.699 6,24.699 ccw(c6,25.699) 7,25.699 7,34.8 ccw(c6,34.8) 6,35.8 3,35.8 cw(c3,38) 3,40.2 9.5,40.2 9.5,36 16.5,36 16.5,40.2 23,40.2 cw(c23,38) 23,35.8 20,35.8 ccw(c20,34.8) 19,34.8 19,25.699 ccw(c20,25.699) 20,24.699 25.2,24.699 cw(c25.15,22.499) 25.2,20.3 25.2,12.7 25.2,12.699 cw(c25.15,10.5) 25.2,8.301 21,8.301 ccw(c21,7.301) 20,7.301 20,6.2 ccw(c21,6.2) 21,5.2 23,5.2 cw(c23,3) 23,0.8

## Keep-outs
Keep-Out Layer:
  lines w0.1: 0.8,8.3 5,8.3 cw(c5,7.3) 6,7.3 6,6.199 cw(c5,6.199) 5,5.199 3,5.199 ccw(c3,3) 3,0.8 23,0.8 ccw(c23,3) 23,5.2 21,5.2 cw(c21,6.2) 20,6.2 20,7.301 cw(c21,7.301) 21,8.301 25.2,8.301 ccw(c25.15,10.5) 25.2,12.699 25.2,20.3 ccw(c25.15,22.499) 25.2,24.699 20,24.699 cw(c20,25.699) 19,25.699 19,34.8 cw(c20,34.8) 20,35.8 23,35.8 ccw(c23,38) 23,40.2 16.5,40.2 16.5,36 9.5,36 9.5,40.2 3,40.2 ccw(c3,38) 3,35.8 6,35.8 cw(c6,34.8) 7,34.8 7,25.699 cw(c6,25.699) 6,24.699 0.8,24.699 ; 0.8,8.302 cw(c0.85,10.501) 0.8,12.701 0.8,20.3 ; 0.8,20.301 cw(c0.85,22.501) 0.8,24.7

## Other copper
Top Layer:
  pour cut-out: 0.8,13.75 0.8,19.25 5.5,19.25 5.5,13.75
Bottom Layer:
  pour cut-out: 0.8,13.75 0.8,19.25 5.5,19.25 5.5,13.75

## Silkscreen, mask and mechanical layers (free items; w line width, h text height)
Top Overlay:
  text "RX2" at 10.686,34.479 h1
  text "TX2" at 10.713,32.979 h1
  text "GPIO0" at 10.578,31.08 h1
  text "ESP-01F / WIFI / UART" at 11.697,30.744 h1.3
  text "GND" at 10.551,29.68 h1
  text "GND" at 8.955,15.644 h0.8 r90
  text "TX1" at 10.356,15.613 h0.8 r90
  text "RX1" at 11.756,15.592 h0.8 r90
  text "RX5" at 13.477,14.386 h1
  text "TX5" at 16.044,14.386 h1
Bottom Overlay:
  drawing of 9 lines, arcs and shapes, not listed
  text "GND" at 5.949,19.38 h1
  text "5V" at 5.526,18.086 h1
  text "TX7" at 5.79,16.78 h1
  text "RX7" at 5.816,15.48 h1
  text "BLACKSHEEP" at 17.587,15.053 h1.5
  text "Project YanQi V3.0" at 18.448,9.688 h1.5
Mechanical 1:
  lines w0.1: 0.8,8.3 5,8.3 cw(c5,7.3) 6,7.3 6,6.199 cw(c5,6.199) 5,5.199 3,5.199 ccw(c3,3) 3,0.8 23,0.8 ccw(c23,3) 23,5.2 21,5.2 cw(c21,6.2) 20,6.2 20,7.301 cw(c21,7.301) 21,8.301 25.2,8.301 ccw(c25.15,10.5) 25.2,12.699 25.2,20.3 ccw(c25.15,22.499) 25.2,24.699 20,24.699 cw(c20,25.699) 19,25.699 19,34.8 cw(c20,34.8) 20,35.8 23,35.8 ccw(c23,38) 23,40.2 16.5,40.2 16.5,36 9.5,36 9.5,40.2 3,40.2 ccw(c3,38) 3,35.8 6,35.8 cw(c6,34.8) 7,34.8 7,25.699 cw(c6,25.699) 6,24.699 0.8,24.699 ; 0.8,8.302 cw(c0.85,10.501) 0.8,12.701 0.8,20.3 ; 0.8,20.301 cw(c0.85,22.501) 0.8,24.7 ; 9,21.75 ccw(c9.5,21.75) 9.5,21.25 16.5,21.25 ccw(c16.5,21.75) 17,21.75 17,28.25 ccw(c16.5,28.25) 16.5,28.75 9.5,28.75 ccw(c9.5,28.25) 9,28.25 9,21.75